# Altium PCB Xduino_Uno_Rev3.02.PcbDoc (part 1 of 3)
Units mil, origin at the board's own origin, x right, y up, seen from the top; angles counter-clockwise.
Board outline 2700 x 2100 mil, 2 copper layers (Top Layer, Bottom Layer); 236 components, 50 nets, 936 pads, 1268 vias.
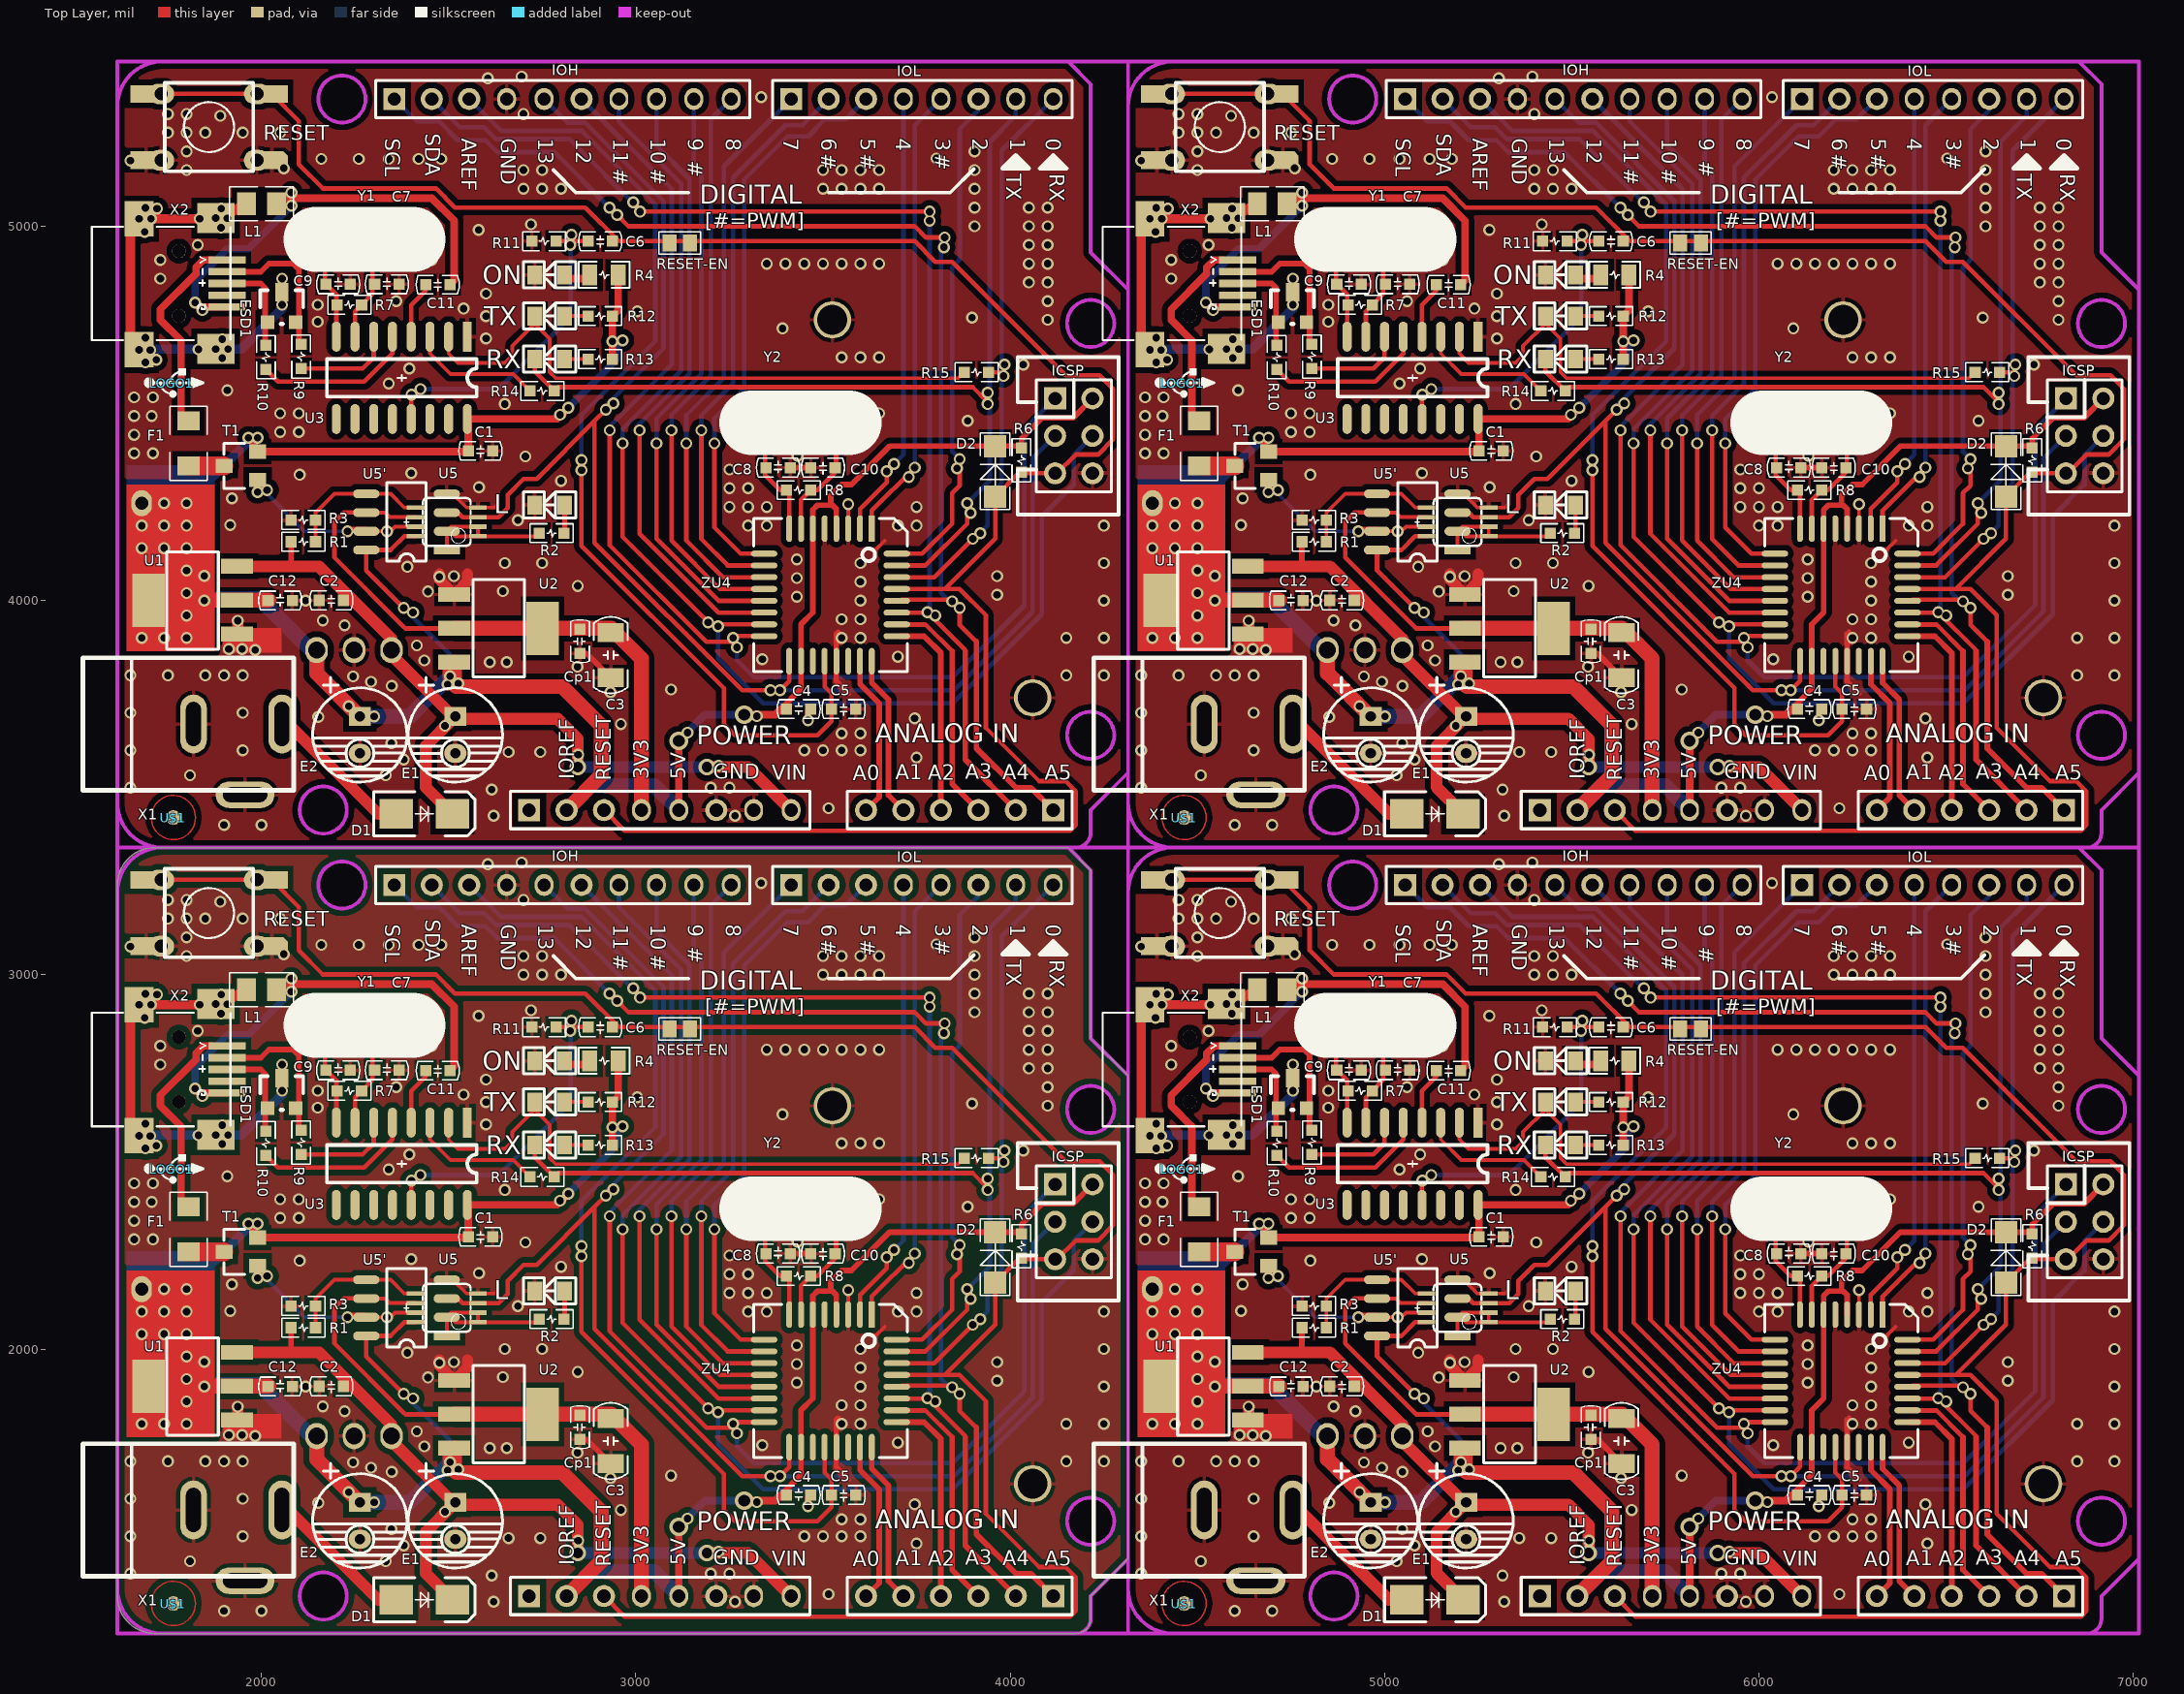
[diagram p0: Top Layer view]
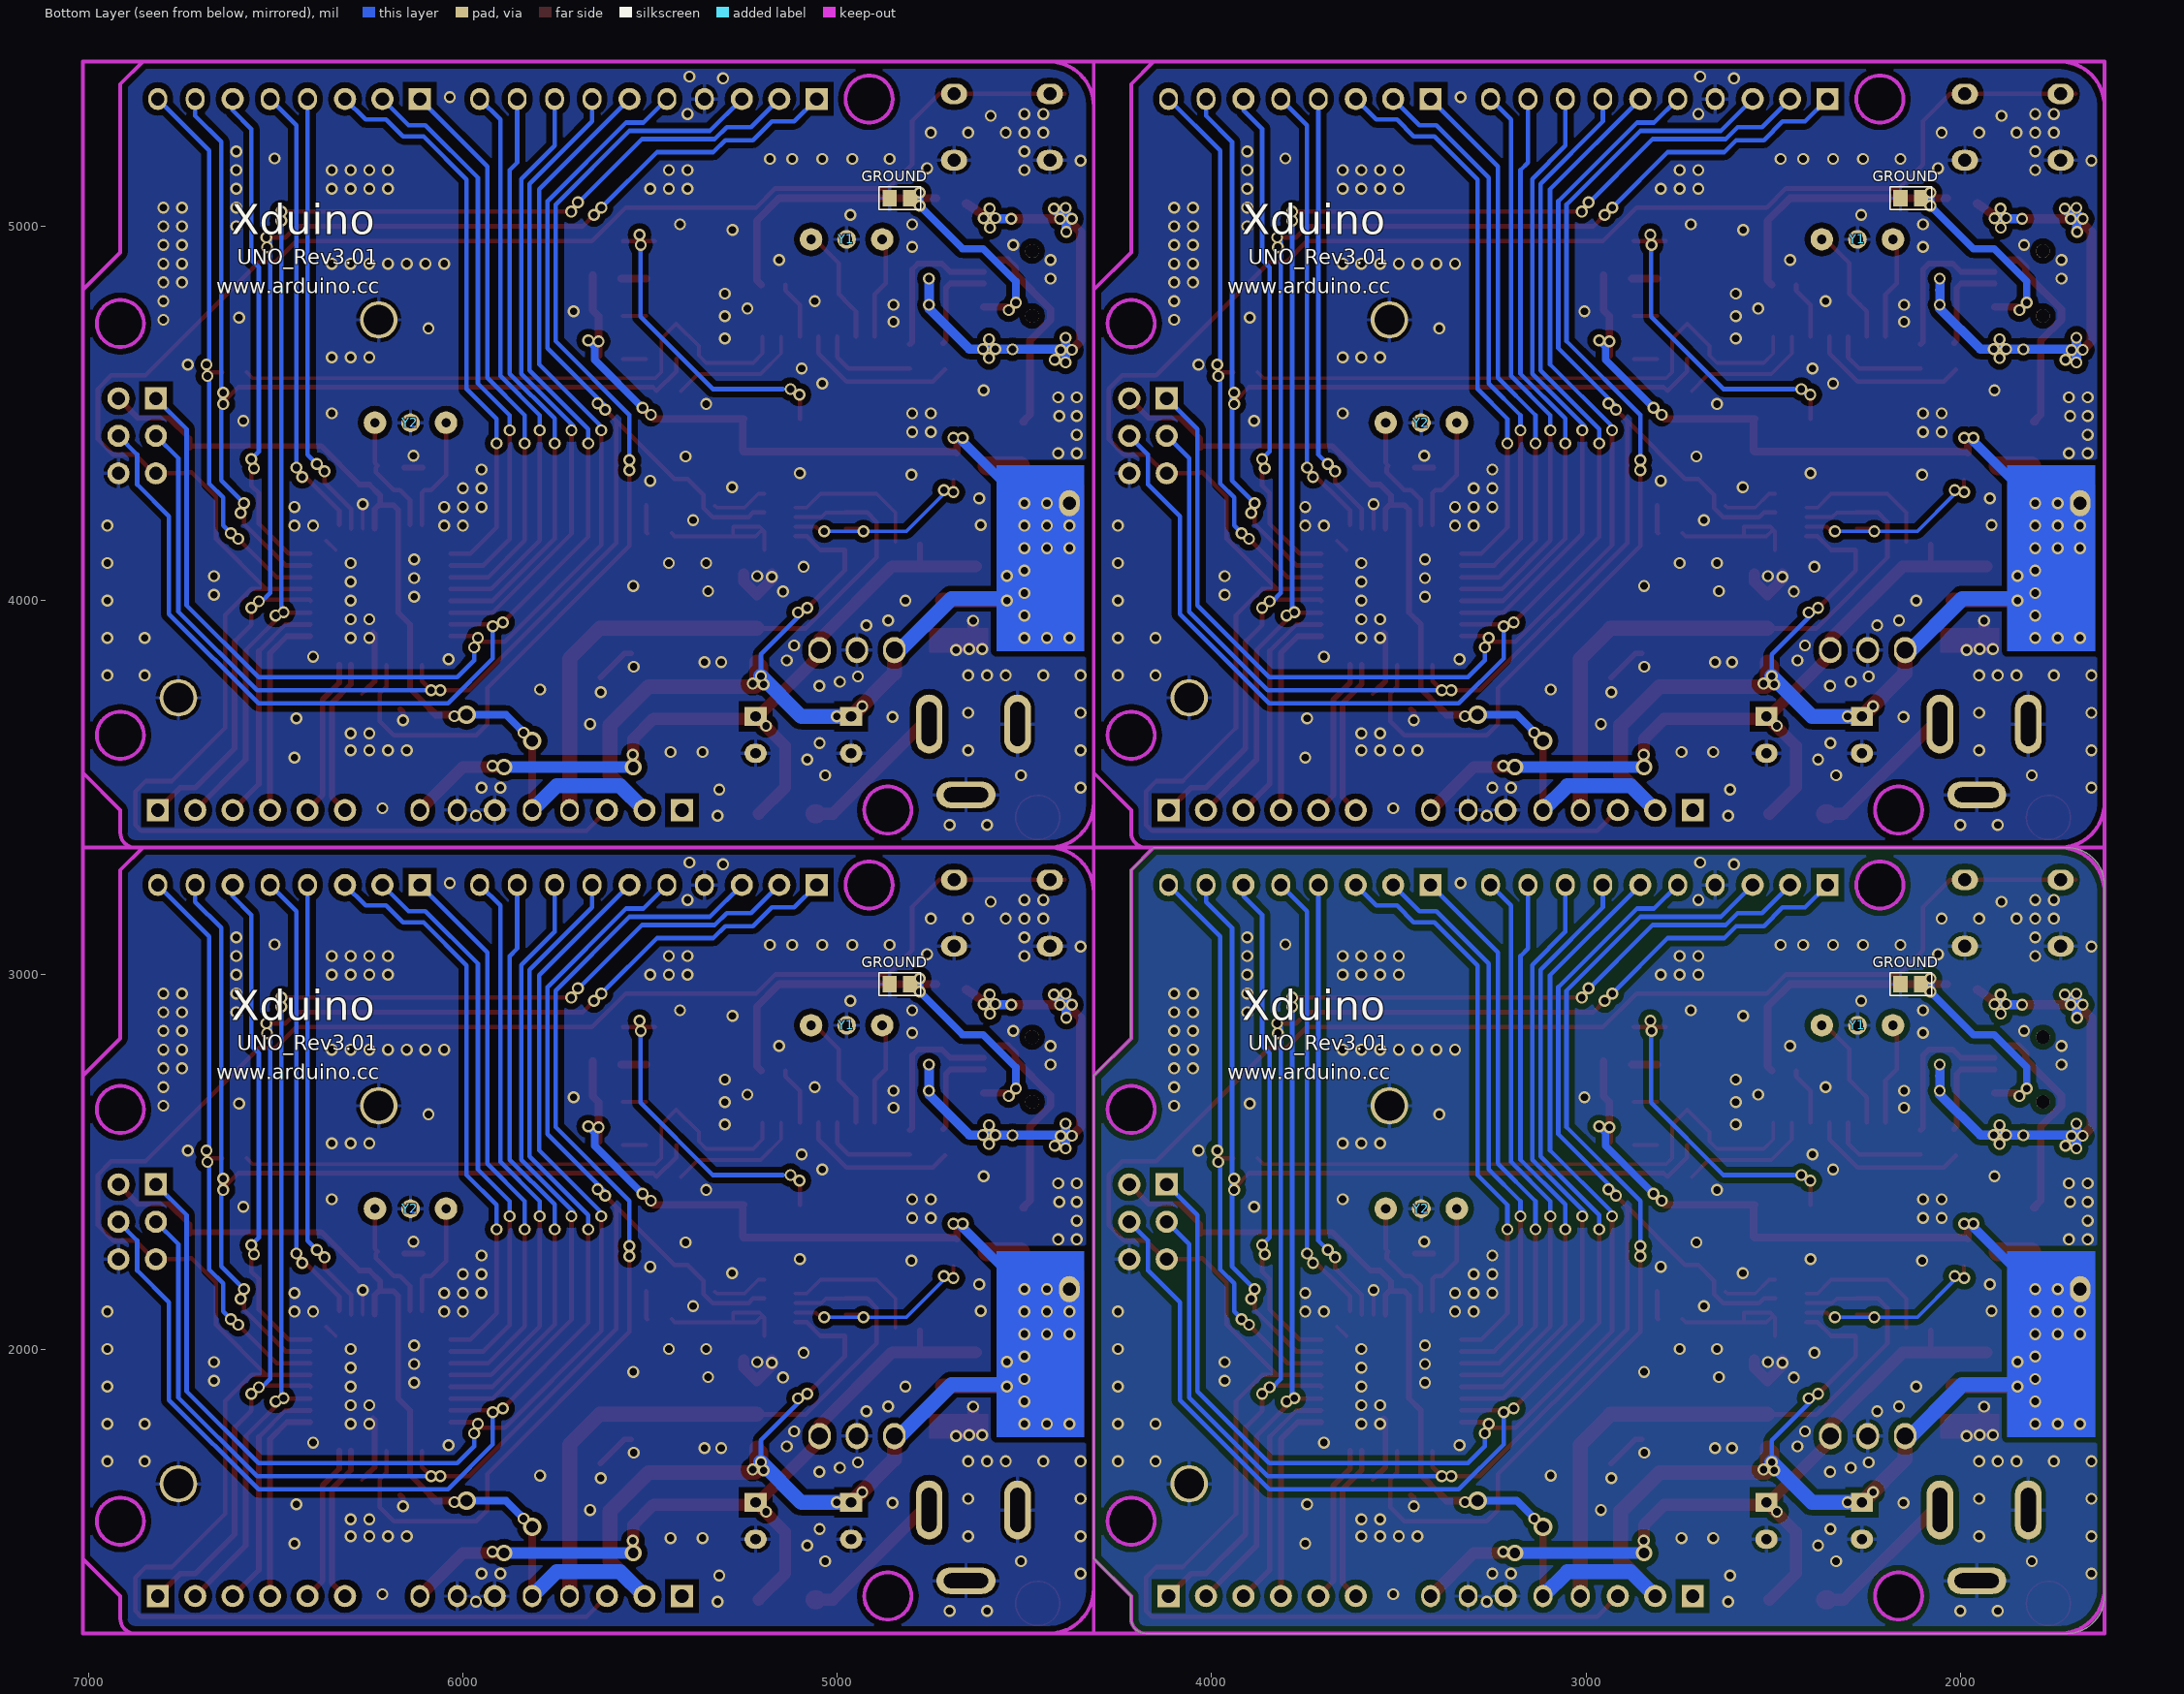
[diagram p1: Bottom Layer view, seen from below]

## Layer stack, top to bottom
Top Layer: signal copper 1.4
Dielectric: dielectric 12.6, FR-4, Dk 4.8
Bottom Layer: signal copper 1.4

## Board outline
1615,3220 1615,3240 cw(c1715,3240) 1715,3340 1721,3340 4155,3340 4215,3280 4215,2830 4315,2730 4315,1440 4215,1340 4215,1279.37 cw(c4175.63,1279.37) 4175.63,1240 4171,1240 1715,1240 cw(c1715,1340) 1615,1340 1615,1399 1615,3220
cut-out: 4927.99,3437.99 cw(c4865,3437.99) 4865,3375 cw(c4865,3440) 4800,3440 4800,3445 cw(c4860,3445) 4860,3505 4865,3505 cw(c4865,3442.01) 4927.99,3442.01
cut-out: 6977.99,3637.99 cw(c6915,3637.99) 6915,3575 cw(c6915,3640) 6850,3640 6850,3645 cw(c6910,3645) 6910,3705 6915,3705 cw(c6915,3642.01) 6977.99,3642.01
cut-out: 6977.99,4737.99 cw(c6915,4737.99) 6915,4675 cw(c6915,4740) 6850,4740 6850,4745 cw(c6910,4745) 6910,4805 6915,4805 cw(c6915,4742.01) 6977.99,4742.01
cut-out: 4977.99,5337.99 cw(c4915,5337.99) 4915,5275 cw(c4915,5340) 4850,5340 4850,5345 cw(c4910,5345) 4910,5405 4915,5405 cw(c4915,5342.01) 4977.99,5342.01
cut-out: 2227.99,3437.99 cw(c2165,3437.99) 2165,3375 cw(c2165,3440) 2100,3440 2100,3445 cw(c2160,3445) 2160,3505 2165,3505 cw(c2165,3442.01) 2227.99,3442.01
cut-out: 4277.99,3637.99 cw(c4215,3637.99) 4215,3575 cw(c4215,3640) 4150,3640 4150,3645 cw(c4210,3645) 4210,3705 4215,3705 cw(c4215,3642.01) 4277.99,3642.01
cut-out: 4277.99,4737.99 cw(c4215,4737.99) 4215,4675 cw(c4215,4740) 4150,4740 4150,4745 cw(c4210,4745) 4210,4805 4215,4805 cw(c4215,4742.01) 4277.99,4742.01
cut-out: 2277.99,5337.99 cw(c2215,5337.99) 2215,5275 cw(c2215,5340) 2150,5340 2150,5345 cw(c2210,5345) 2210,5405 2215,5405 cw(c2215,5342.01) 2277.99,5342.01
cut-out: 4927.99,1337.99 cw(c4865,1337.99) 4865,1275 cw(c4865,1340) 4800,1340 4800,1345 cw(c4860,1345) 4860,1405 4865,1405 cw(c4865,1342.01) 4927.99,1342.01
cut-out: 6977.99,1537.99 cw(c6915,1537.99) 6915,1475 cw(c6915,1540) 6850,1540 6850,1545 cw(c6910,1545) 6910,1605 6915,1605 cw(c6915,1542.01) 6977.99,1542.01
cut-out: 6977.99,2637.99 cw(c6915,2637.99) 6915,2575 cw(c6915,2640) 6850,2640 6850,2645 cw(c6910,2645) 6910,2705 6915,2705 cw(c6915,2642.01) 6977.99,2642.01
cut-out: 4977.99,3237.99 cw(c4915,3237.99) 4915,3175 cw(c4915,3240) 4850,3240 4850,3245 cw(c4910,3245) 4910,3305 4915,3305 cw(c4915,3242.01) 4977.99,3242.01
cut-out: 2277.99,3237.99 cw(c2215,3237.99) 2215,3175 cw(c2215,3240) 2150,3240 2150,3245 cw(c2210,3245) 2210,3305 2215,3305 cw(c2215,3242.01) 2277.99,3242.01
cut-out: 4277.99,2637.99 cw(c4215,2637.99) 4215,2575 cw(c4215,2640) 4150,2640 4150,2645 cw(c4210,2645) 4210,2705 4215,2705 cw(c4215,2642.01) 4277.99,2642.01
cut-out: 4277.99,1537.99 cw(c4215,1537.99) 4215,1475 cw(c4215,1540) 4150,1540 4150,1545 cw(c4210,1545) 4210,1605 4215,1605 cw(c4215,1542.01) 4277.99,1542.01
cut-out: 2227.99,1337.99 cw(c2165,1337.99) 2165,1275 cw(c2165,1340) 2100,1340 2100,1345 cw(c2160,1345) 2160,1405 2165,1405 cw(c2165,1342.01) 2227.99,1342.01

## Design rules (kind name [scope] priority, off if disabled: settings)
Clearance [INPOLY] p1: gap=15
Clearance Clearance_3 [INPOLY vs ISpad] p2: gap=14
Clearance Clearance_2 [inpoly vs isvia] p3: gap=12
Clearance Clearance_1 [All] p4: gap=10
PolygonConnect [isvia] p1: connectstyle=Direct reliefconductorwidth=10 reliefentries=4 polygonreliefangle="90 Angle" airgapwidth=10
PolygonConnect PolygonConnect_2 [InNet('GND')] p2: connectstyle=Relief reliefconductorwidth=10 reliefentries=4 polygonreliefangle="90 Angle" airgapwidth=10
PolygonConnect PolygonConnect_1 [All] p3: connectstyle=Direct reliefconductorwidth=10 reliefentries=4 polygonreliefangle="90 Angle" airgapwidth=10
RoutingVias [All] p1: holewidth=28 width=32 viastyle="Through Hole" minholewidth=20 minwidth=28 maxholewidth=50 maxwidth=70
SilkscreenOverComponentPads SilkToSolderMaskClearance [IsPad] p1: minsilkscreentomaskgap=10
SolderMaskExpansion [All] p1: expansion=4
Width [All] p1: maxlimit=100 minlimit=10 preferedwidth=10
27 further rules are at their usual default settings.

## Components (designator, comment, footprint, x,y, rotation, side; value= is the part's Value field where it differs from the comment)
"ANALOG IN" "单排插座 1×9T" HDR1X6Z 6815,3440 r180 top
"ANALOG IN" "单排插座 1×9T" HDR1X6Z 4115,3440 r180 top
"ANALOG IN" "单排插座 1×9T" HDR1X6Z 6815,1340 r180 top
"ANALOG IN" "单排插座 1×9T" HDR1X6Z 4115,1340 r180 top
C1 "C1608X7R1H104KT000N（0603 0.1μF）" 0603C 5285,4400 r0 top
C1 "C1608X7R1H104KT000N（0603 0.1μF）" 0603C 2585,4400 r0 top
C1 "C1608X7R1H104KT000N（0603 0.1μF）" 0603C 5285,2300 r0 top
C1 "C1608X7R1H104KT000N（0603 0.1μF）" 0603C 2585,2300 r0 top
C2 "C1608X7R1H104KT000N（0603 0.1μF）" 0603C 4886.5,4000.37 r0 top
C2 "C1608X7R1H104KT000N（0603 0.1μF）" 0603C 2186.5,4000.37 r0 top
C2 "C1608X7R1H104KT000N（0603 0.1μF）" 0603C 4886.5,1900.37 r0 top
C2 "C1608X7R1H104KT000N（0603 0.1μF）" 0603C 2186.5,1900.37 r0 top
C3 "10μF" 1206C 5633,3854 r90 top
C3 "10μF" 1206C 2933,3854 r90 top
C3 "10μF" 1206C 5633,1754 r90 top
C3 "10μF" 1206C 2933,1754 r90 top
C4 "0.1μF" 0603C 6135,3710 r180 top
C4 "0.1μF" 0603C 3435,3710 r180 top
C4 "0.1μF" 0603C 6135,1610 r180 top
C4 "0.1μF" 0603C 3435,1610 r180 top
C5 "0.1μF" 0603C 6255,3710 r0 top
C5 "0.1μF" 0603C 3555,3710 r0 top
C5 "0.1μF" 0603C 6255,1610 r0 top
C5 "0.1μF" 0603C 3555,1610 r0 top
C6 "0.1μF" 0603C 5605,4960 r0 top
C6 "0.1μF" 0603C 2905,4960 r0 top
C6 "0.1μF" 0603C 5605,2860 r0 top
C6 "0.1μF" 0603C 2905,2860 r0 top
C7 "CC0603JRNP09BN270" 0603C 5035,4845 r180 top
C7 "CC0603JRNP09BN270" 0603C 2335,4845 r180 top
C7 "CC0603JRNP09BN270" 0603C 5035,2745 r180 top
C7 "CC0603JRNP09BN270" 0603C 2335,2745 r180 top
C8 "CC0603JRNP09BN270" 0603C 6080,4355 r180 top
C8 "CC0603JRNP09BN270" 0603C 3380,4355 r180 top
C8 "CC0603JRNP09BN270" 0603C 6080,2255 r180 top
C8 "CC0603JRNP09BN270" 0603C 3380,2255 r180 top
C9 "CC0603JRNP09BN270" 0603C 4905,4845 r180 top
C9 "CC0603JRNP09BN270" 0603C 2205,4845 r180 top
C9 "CC0603JRNP09BN270" 0603C 4905,2745 r180 top
C9 "CC0603JRNP09BN270" 0603C 2205,2745 r180 top
C10 "CC0603JRNP09BN270" 0603C 6200,4355 r0 top
C10 "CC0603JRNP09BN270" 0603C 3500,4355 r0 top
C10 "CC0603JRNP09BN270" 0603C 6200,2255 r0 top
C10 "CC0603JRNP09BN270" 0603C 3500,2255 r0 top
C11 "0.01μF" 0603C 5171,4844 r0 top
C11 "0.01μF" 0603C 2471,4844 r0 top
C11 "0.01μF" 0603C 5171,2744 r0 top
C11 "0.01μF" 0603C 2471,2744 r0 top
C12 "0.1μF" 0603C 4750,4000 r180 top
C12 "0.1μF" 0603C 2050,4000 r180 top
C12 "0.1μF" 0603C 4750,1900 r180 top
C12 "0.1μF" 0603C 2050,1900 r180 top
Cp1 "C1608X7R1H104KT000N（0603 0.1μF）" 0603C 5551,3891 r270 top
Cp1 "C1608X7R1H104KT000N（0603 0.1μF）" 0603C 2851,3891 r270 top
Cp1 "C1608X7R1H104KT000N（0603 0.1μF）" 0603C 5551,1791 r270 top
Cp1 "C1608X7R1H104KT000N（0603 0.1μF）" 0603C 2851,1791 r270 top
D1 "M7" M7 5135,3430 r0 top
D1 "M7" M7 2435,3430 r0 top
D1 "M7" M7 5135,1330 r0 top
D1 "M7" M7 2435,1330 r0 top
D2 "LL4148" D1206 6660,4345 r90 top
D2 "LL4148" D1206 3960,4345 r90 top
D2 "LL4148" D1206 6660,2245 r90 top
D2 "LL4148" D1206 3960,2245 r90 top
E1 "50YXF47M（6.3×11×2.5）" "RB 6.3×11×2.5" 5218,3641 r270 top
E1 "50YXF47M（6.3×11×2.5）" "RB 6.3×11×2.5" 2518,3641 r270 top
E1 "50YXF47M（6.3×11×2.5）" "RB 6.3×11×2.5" 5218,1541 r270 top
E1 "50YXF47M（6.3×11×2.5）" "RB 6.3×11×2.5" 2518,1541 r270 top
E2 "25YXF47M（5×11×2.0）" "RB 6.3×11×2.5" 4963,3641 r270 top
E2 "25YXF47M（5×11×2.0）" "RB 6.3×11×2.5" 2263,3641 r270 top
E2 "25YXF47M（5×11×2.0）" "RB 6.3×11×2.5" 4963,1541 r270 top
E2 "25YXF47M（5×11×2.0）" "RB 6.3×11×2.5" 2263,1541 r270 top
ESD1 "PESD5V0L2BT" SOT-23 4754,4784 r0 top
ESD1 "PESD5V0L2BT" SOT-23 2054,4784 r0 top
ESD1 "PESD5V0L2BT" SOT-23 4754,2684 r0 top
ESD1 "PESD5V0L2BT" SOT-23 2054,2684 r0 top
F1 "MF-MSMF050-2 500mA" L1206 4505,4420 r90 top
F1 "MF-MSMF050-2 500mA" L1206 1805,4420 r90 top
F1 "MF-MSMF050-2 500mA" L1206 4505,2320 r90 top
F1 "MF-MSMF050-2 500mA" L1206 1805,2320 r90 top
GROUND "" 0101 4805,5075 r0 bottom
GROUND "" 0101 2105,5075 r0 bottom
GROUND "" 0101 4805,2975 r0 bottom
GROUND "" 0101 2105,2975 r0 bottom
ICSP "双排插针 2×3T" HDR2X3 6820,4540 r270 top
ICSP "双排插针 2×3T" HDR2X3 4120,4540 r270 top
ICSP "双排插针 2×3T" HDR2X3 6820,2440 r270 top
ICSP "双排插针 2×3T" HDR2X3 4120,2440 r270 top
IOH "单排插座 1×12T" HDR1X10Z 5055,5340 r0 top
IOH "单排插座 1×12T" HDR1X10Z 2355,5340 r0 top
IOH "单排插座 1×12T" HDR1X10Z 5055,3240 r0 top
IOH "单排插座 1×12T" HDR1X10Z 2355,3240 r0 top
IOL "单排插座 1×9T" HDR1X8Z 6115,5340 r0 top
IOL "单排插座 1×9T" HDR1X8Z 3415,5340 r0 top
IOL "单排插座 1×9T" HDR1X8Z 6115,3240 r0 top
IOL "单排插座 1×9T" HDR1X8Z 3415,3240 r0 top
L "BL-HRB35A-TRB (0805 黄色)" LED0805-Y 5470,4255 r180 top
L "BL-HRB35A-TRB (0805 黄色)" LED0805-Y 2770,4255 r180 top
L "BL-HRB35A-TRB (0805 黄色)" LED0805-Y 5470,2155 r180 top
L "BL-HRB35A-TRB (0805 黄色)" LED0805-Y 2770,2155 r180 top
L1 "PBY201209T-601Y-N 0805" L0805 4700,5060 r0 top
L1 "PBY201209T-601Y-N 0805" L0805 2000,5060 r0 top
L1 "PBY201209T-601Y-N 0805" L0805 4700,2960 r0 top
L1 "PBY201209T-601Y-N 0805" L0805 2000,2960 r0 top
LOGO1 "LOGO" USB_LOGO 4460,4580 r270 top
LOGO1 "LOGO" USB_LOGO 1760,4580 r270 top
LOGO1 "LOGO" USB_LOGO 4460,2480 r270 top
LOGO1 "LOGO" USB_LOGO 1760,2480 r270 top
ON "BL-HGE35A-TRB（0805 绿色）" LED0805-R 5470,4870 r180 top
ON "BL-HGE35A-TRB（0805 绿色）" LED0805-R 2770,4870 r180 top
ON "BL-HGE35A-TRB（0805 绿色）" LED0805-R 5470,2770 r180 top
ON "BL-HGE35A-TRB（0805 绿色）" LED0805-R 2770,2770 r180 top
POWER "单排插座 1×9T" HDR1X8Z 5415,3440 r0 top
POWER "单排插座 1×9T" HDR1X8Z 2715,3440 r0 top
POWER "单排插座 1×9T" HDR1X8Z 5415,1340 r0 top